# KiCad board central-control-unit.kicad_pcb (continued)
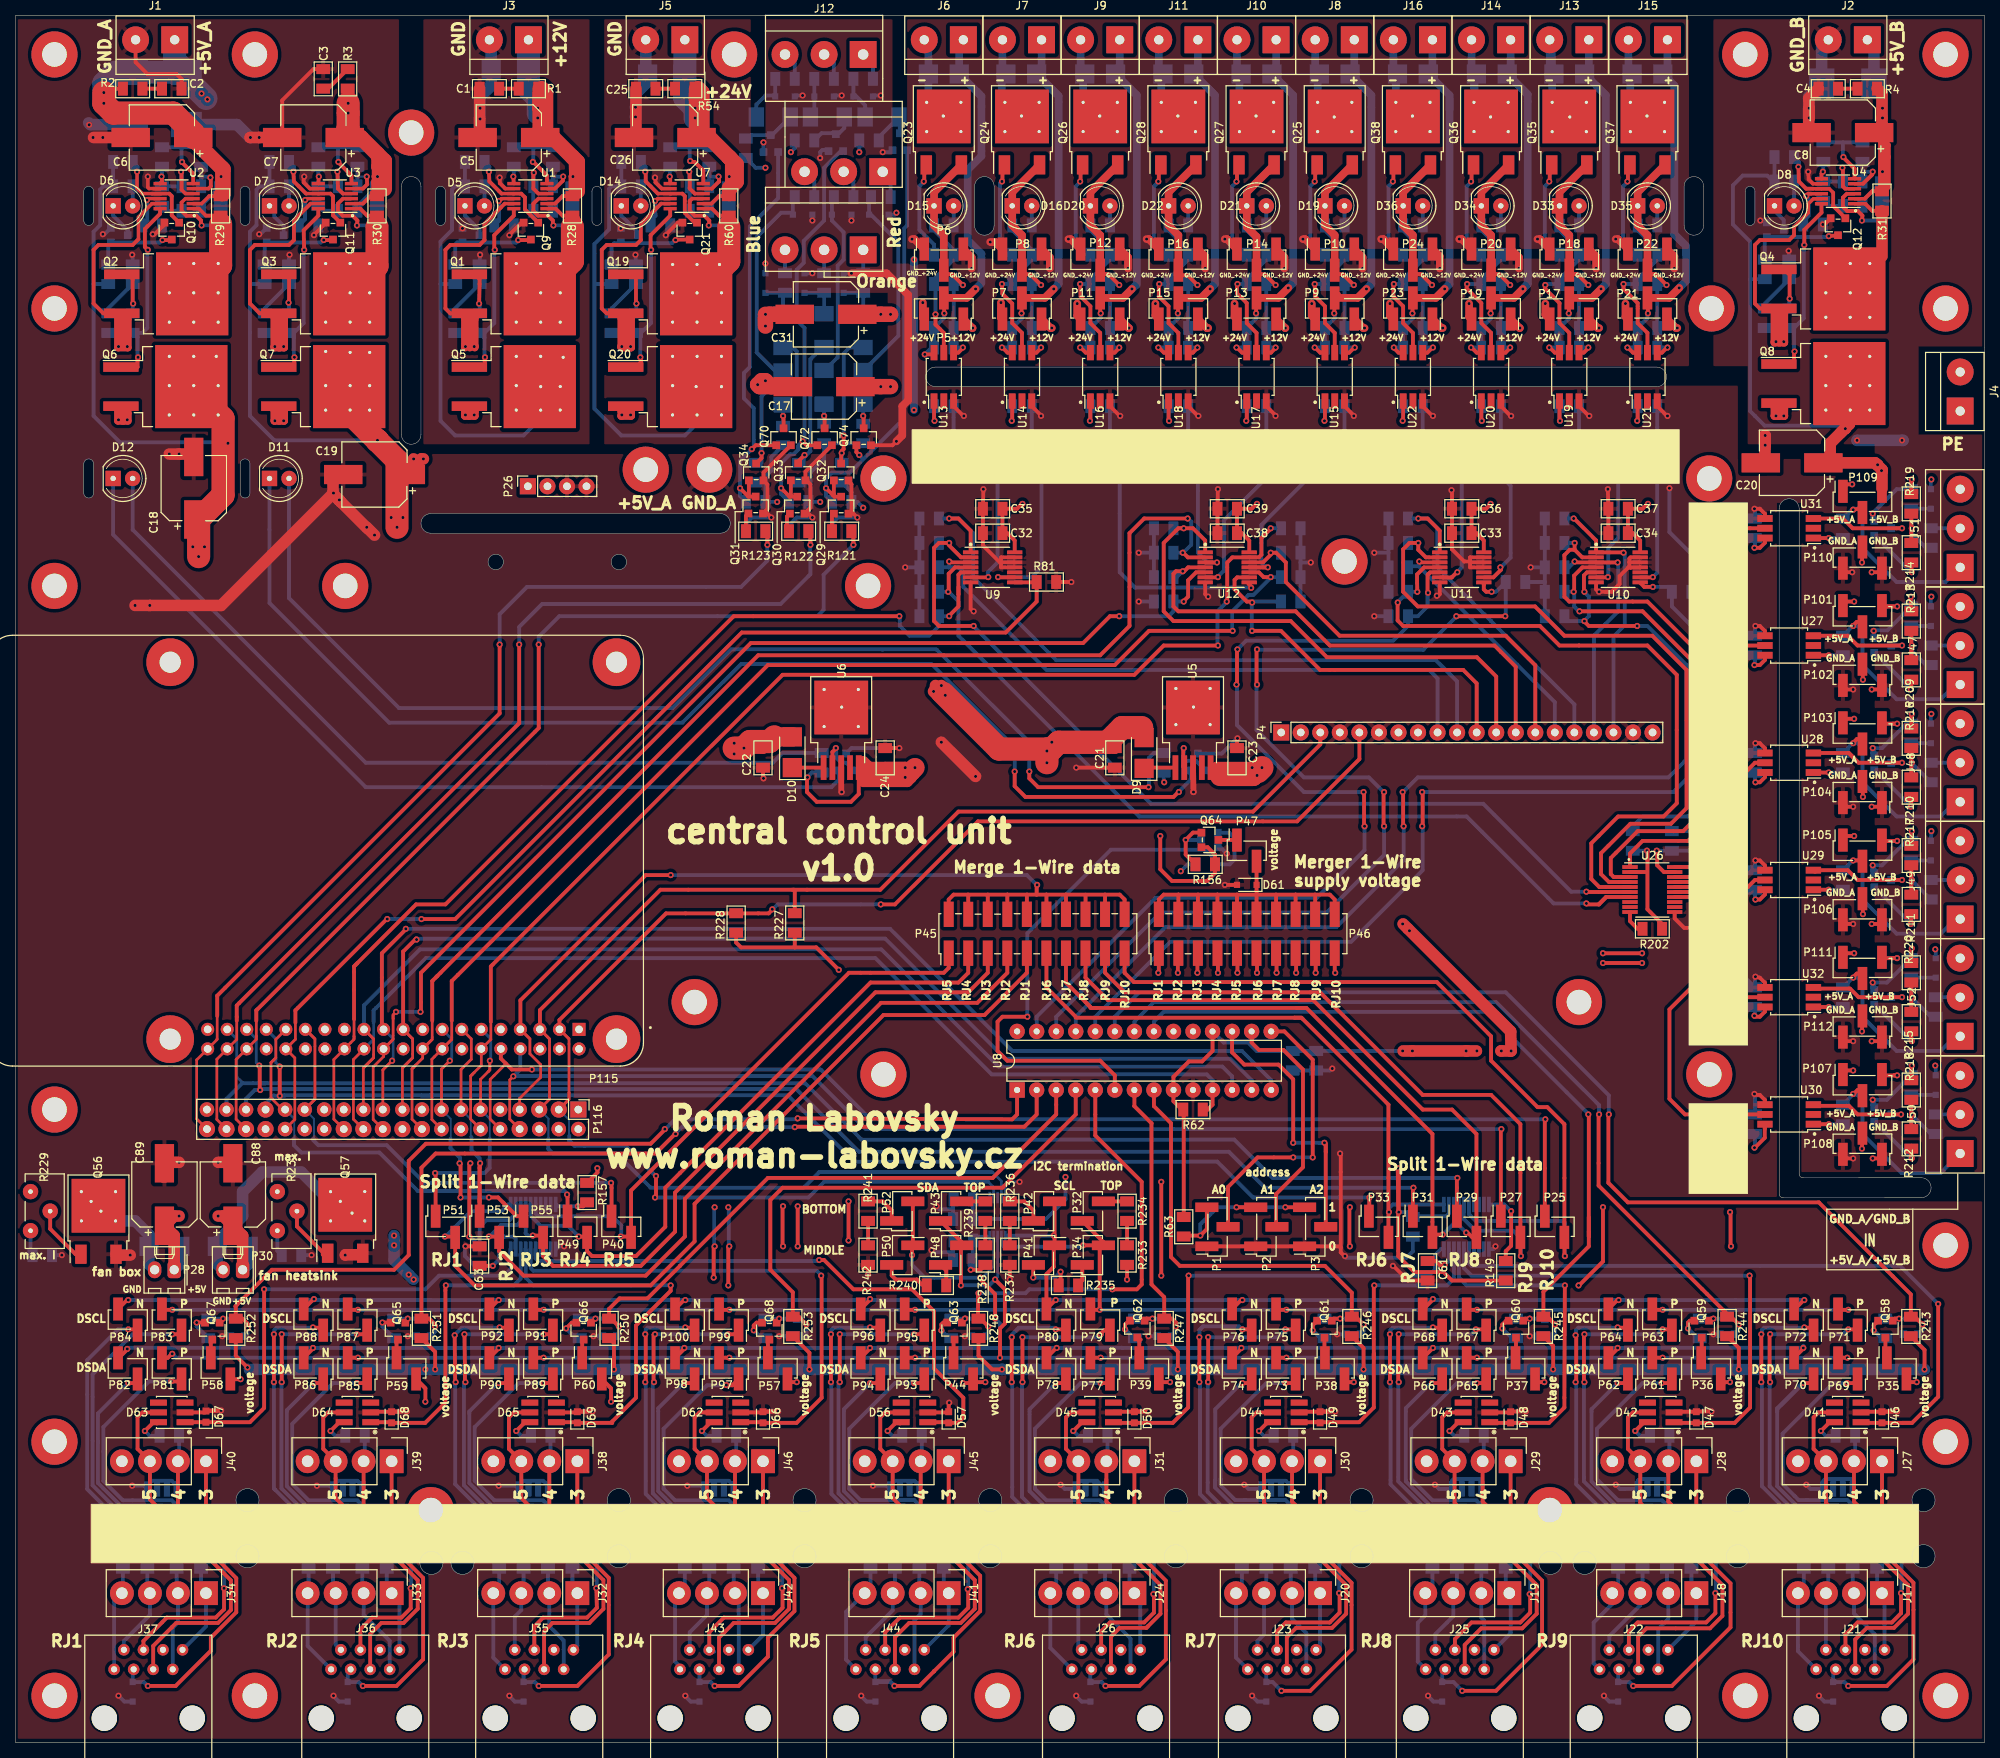
[diagram p0: board, top side]
## Routing (per net, layer and track width the routed paths; a pad name or vN(x,y) marks a point on that pad's centre or on a via; arc(x,y) is an arc through that point) (continued)
Net-(D81-A-Pad4): length 42.6
  Top w0.5: P92.1 63.81,53.94 62.97,53.94 v1(62.93,53.97) 62.89,53.94 62.86,53.94 ; v1(57.21,46.86) 57.15,46.93 v1(57.09,52.96) 57.15,52.87
  Bottom w0.5: R193.2 62.86,25.78 64.55,27.47 D81.4 65.41,28.97 64.98,29.4 61.36,29.4 57.15,33.61 57.15,46.55 57.21,46.61 v1(57.21,46.86) ; 57.15,53.09 58,53.94 62.86,53.94
Net-(D82-A-Pad1): length 37.9
  Top w0.5: 116.84,46.74 v1(116.78,46.74) 117.58,46.74 P93.1
  Bottom w0.5: 116.84,46.74 114.3,46.74 108.36,40.8 108.36,32.99 109.82,31.54 116.8,31.54 117.48,30.86 D82.1 118.33,27.47 R194.2
Net-(D82-A-Pad2): length 32.9
  Top w0.5: 112.29,47.37 P94.1 ; P94.1 111.86,46.74 v1(111.06,46.74) ; P94.1 111.99,46.86
  Bottom w0.5: R195.2 116.2,26.42 D82.2 116.2,30.2 115.57,30.84 109.53,30.84 107.66,32.7 107.66,43.34 v1(111.06,46.74)
Net-(D82-A-Pad3): length 46.3
  Top w0.5: 107.06,53.09 v1(107.12,53.09) v1(107.12,46.86) 107.06,46.93 ; 116.84,53.09 v1(116.78,53.09) 117.58,53.09 P95.1
  Bottom w0.5: R196.2 114.94,25.78 D82.3 114.94,29.59 114.39,30.14 109.24,30.14 106.96,32.41 106.96,46.9 107,46.86 v1(107.12,46.86) ; 107.06,53.09 116.84,53.09
Net-(D82-A-Pad4): length 42.6
  Top w0.5: P96.1 112.08,53.94 111.16,53.94 v1(111.06,53.97) 111.09,53.94 111.12,53.94 ; 106.05,46.93 v1(105.98,46.86) ; 105.98,46.93 v1(105.98,53.09) 106.05,53.09
  Bottom w0.5: 106.05,53.09 106.05,53.65 ; 106.05,53.65 106.33,53.94 ; 106.05,53.65 106.33,53.94 ; v1(105.98,46.86) 105.98,46.61 106.05,46.55 106.05,32.34 108.95,29.44 113.2,29.44 113.66,28.97 D82.4 113.44,27.47 R197.2 ; 111.12,53.94 106.33,53.94
Net-(D83-A-Pad1): length 37.8
  Top w0.5: 92.36,46.45 92.36,46.45 v1(92.39,46.48) 92.42,46.45 93.17,46.45 93.98,47.27
  Bottom w0.5: 92.36,46.45 89.89,46.45 84.23,40.8 84.23,32.99 85.72,31.5 92.71,31.5 93.34,30.86 D83.1 94.2,27.47 R198.2
Net-(D83-A-Pad2): length 33
  Top w0.5: v1(86.93,46.74) 87.73,46.74 P98.1 ; 87.86,46.86 P98.1 ; P98.1 88.16,47.37
  Bottom w0.5: 86.93,46.86 83.53,43.47 83.53,32.7 85.44,30.8 91.51,30.8 92.08,30.23 D83.2 92.08,26.42 R199.2
Net-(D83-A-Pad3): length 45.9
  Top w0.5: v1(82.99,46.86) 82.93,46.93 82.93,53.05 82.97,53.09 ; 92.71,53.09 93.45,53.09 93.98,53.62
  Bottom w0.5: 92.71,53.09 v1(92.65,53.09) v1(83.12,53.09) 82.97,53.09 ; v1(82.99,46.86) 82.83,46.7 82.83,32.41 85.15,30.1 90.3,30.1 90.8,29.59 D83.3 90.8,25.78 R200.2
Net-(D83-A-Pad4): length 44
  Top w0.5: 81.91,53.09 81.91,46.93 v1(81.85,46.86) ; P100.1 87.94,53.94 87.1,53.94 v1(87.06,53.97) 87.02,53.94 87,53.94
  Bottom w0.5: 87,53.94 82.13,53.94 81.91,53.72 v1(81.85,53.09) 81.91,53.09 ; v1(81.85,46.86) 81.85,46.61 81.91,46.55 81.91,32.34 84.86,29.4 89.11,29.4 89.53,28.97 D83.4 ; D83.4 88.68,27.47 87,25.78 R201.2 ; D83.4 89.53,28.96
Net-(D84-A): length 30
  Top w0.5: 240.03,138.18 v1(240.09,138.18) P102.2 ; 246.38,148.97 v1(246.32,148.97) 246.32,147.13 R213.1
  GND.Cu w0.5: 241.3,144.59 240.03,143.32 240.03,138.18 ; 246.38,148.97 v1(248.98,148.97) 249.56,148.97 250.83,147.7 J47.3
  Bottom w0.5: C82.2 246.38,148.91 v1(246.32,148.97) ; C82.2 243.27,144.59 241.56,144.59 v1(241.49,144.53) 241.43,144.59 241.3,144.59 241.3,144.5 241.57,144.23 Q50.2 241.62,143.57 ; C82.2 245.75,147.7 ; C82.2 246.38,148.97 ; D84.2 248.92,148.97
Net-(D84-K): length 14.2
  Top w0.5: R209.1 246.38,142.56 v1(246.44,142.62) ; v1(246.44,142.62) 246.38,141.35 ; v1(246.44,142.62) 246.38,142.62 R213.2
  Bottom w0.5: R221.2 248.28,140.08 246.38,141.99 C82.1 D84.1
Net-(D85-A): length 28.3
  Top w0.5: P104.2 v1(240.09,122.94) 240.03,122.94 ; R216.1 246.38,133.73
  GND.Cu w0.5: 240.03,122.94 240.03,128.02 241.3,129.29 ; 246.38,133.73 v1(246.44,133.73) v1(248.98,133.73) 249.56,133.73 250.83,132.46 J48.3
  Bottom w0.5: 241.57,128.92 Q51.2 241.3,128.6 241.3,129.29 v1(241.36,129.29) 242.57,129.29 245.75,132.46 C83.2 246.38,133.73 ; D85.2 248.92,133.73
Net-(D85-K): length 11.9
  Top w0.5: 246.38,126.11 R216.2
  Bottom w0.5: 248.92,129.92 246.38,129.92 246.38,127.38 v1(246.44,127.38) 246.44,127.32 248.92,124.84
Net-(D86-A): length 28.5
  Top w0.5: P106.2 v1(240.09,107.7) 240.03,107.7 ; 246.38,118.49 v1(246.44,118.49) R217.1
  GND.Cu w0.5: J49.3 250.83,117.22 249.56,118.49 246.38,118.49 ; 240.03,107.7 240.03,112.78 241.3,114.05
  Bottom w0.5: 241.57,113.68 241.57,113.09 241.3,113.36 241.3,114.05 242.57,114.05 245.75,117.22 C84.2 246.38,118.49 ; D86.2 v1(248.98,118.49) 248.92,118.49
  vias: v1(241.36,114.05)
Net-(D86-K): length 13.2
  Top w0.5: R217.2 246.38,111.51 ; R211.1 246.38,112.14
  Bottom w0.5: R223.2 246.44,112.08 v1(246.44,112.14) 246.38,112.14 C84.1 D86.1
Net-(D87-A): length 28.4
  Top w0.5: 240.03,78.59 240.14,78.59 ; 240.03,77.22 v1(239.97,77.22) P108.2 ; R218.1 246.38,88.01
  GND.Cu w0.5: 252.73,86.74 250.83,86.74 249.56,88.01 v1(249.49,88.01) v1(246.44,88.01) 246.38,88.01 ; 241.3,83.57 240.03,82.3 240.03,77.22
  Bottom w0.5: Q53.2 241.57,83.2 ; Q53.2 241.3,82.88 241.3,83.57 v1(241.36,83.57) 243.21,83.57 246.38,86.74 246.38,88.01 ; Q53.2 241.57,82.63 ; 249.56,86.74 249.56,88.01
Net-(D87-K): length 13.2
  Top w0.5: 246.38,80.39 R218.2
  Bottom w0.5: D87.1 C85.1 246.38,81.66 v1(246.44,81.66) 246.44,81.6 248.92,79.12 R224.2
Net-(D88-A): length 31
  Top w0.5: 240.03,153.42 v1(239.97,153.42) P110.2 240.03,156.59 ; R219.1 246.38,164.15 v1(246.44,164.21) 246.38,164.21
  GND.Cu w0.5: 240.03,153.42 240.03,158.5 241.3,159.77 ; J51.3 252.09,162.94 250.83,164.21 246.38,164.21
  Bottom w0.5: D88.2 248.92,164.15 v1(248.98,164.21) 248.92,164.21 ; 245.79,162.94 C86.2 ; C86.2 245.7,162.94 ; C86.2 246.38,164.21 ; C86.2 244.48,162.94 241.36,159.83 v1(241.36,159.77) 241.3,159.77 241.3,159.08 Q54.2 241.57,159.4
Net-(D88-K): length 12.3
  Top w0.5: R214.1 246.38,157.8 v1(246.44,157.86) 246.38,157.92 246.38,159.13
  Bottom w0.5: R225.2 248.28,155.32 246.38,157.23 C86.1 D88.1
Net-(D89-A): length 28.4
  Top w0.5: R220.1 246.38,103.25 ; P112.2 v1(239.97,92.46) 240.03,92.46
  GND.Cu w0.5: 241.3,98.81 240.03,97.54 240.03,92.46 ; 246.38,103.25 v1(246.44,103.25) 249.56,103.25 250.83,101.98 252.73,101.98
  Bottom w0.5: 249.56,103.25 249.56,103.19 v1(249.49,103.12) 249.56,103.06 249.56,101.98 ; 241.57,98.44 Q55.2 241.3,98.12 241.3,98.81 v1(241.36,98.81) 243.21,98.81 246.38,101.98 246.38,103.25
Net-(D89-K): length 13.2
  Top w0.5: R220.2 246.38,95.63
  Bottom w0.5: R226.2 248.92,94.36 246.44,96.84 v1(246.44,96.9) 246.38,96.9 C87.1 D89.1
Net-(D90-A): length 6.9
  Bottom w0.5: D90.2 98.33,208.97 Q69.3 95.62,208.97 95.19,208.53 R254.2
Net-(D90-K): length 6.8
  Bottom w0.5: 98.74,216.41 98.74,214.12 97.47,214.12 96.29,212.94 D90.1
Net-(D91-A): length 4.3
  Top w0.5: Q70.3 99.82,172.4 v1(99.76,172.47)
  Bottom w0.5: R255.2 D91.2
Net-(D91-K): length 27.8
  Bottom w0.5: 101.28,201.17 101.03,200.91 101.03,198.88 99.5,198.88 96.33,195.71 96.33,180.72 98.74,178.31 D91.1
Net-(D92-A): length 6.7
  Bottom w0.5: 114.83,209.32 Q71.3 114.93,211.22 D92.2 112.2,208.71 R256.2 112.46,208.28
Net-(D93-A): length 4.8
  Top w0.5: Q72.3 105.16,172.4 v1(105.09,172.47)
  Bottom w0.5: 105.09,172.72 D93.2 104.84,173.74 ; 105.09,172.72 v1(105.09,172.47) ; 105.09,172.72 R257.2
Net-(D93-K): length 24.6
  Bottom w0.5: D93.1 105.17,178.39 106.86,180.07 106.86,192.01 107.63,192.79 107.63,196.34 106.11,197.87 106.11,200.91 106.36,201.17
Net-(D94-A): length 6.3
  Bottom w0.5: D94.2 107.71,209.89 107.05,209.23 104.77,209.23 R258.2 104.08,208.28
Net-(D94-K): length 5.3
  Bottom w0.5: D94.1 103.82,211.84 103.82,216.41
Net-(D95-A): length 4.2
  Top w0.5: Q74.3 110.24,172.4 v1(110.17,172.47)
  Bottom w0.5: D95.2 R259.2
Net-(D100-K): length 6.4
  Bottom w0.5: 108.9,216.41 108.9,213.87 108.9,214.12 109.16,214.12 110.43,212.85 D92.1
Net-(D101-K): length 26.4
  Bottom w0.5: D95.1 110.25,178.39 114.74,182.88 114.74,195.07 110.93,198.88 110.93,200.91 111.19,201.17
Net-(J47-Pin_1): length 24.6
  Top w0.5: 240.03,145.69 239.29,145.69 238.76,145.16
  Bottom w0.5: J47.1 252.09,137.54 250.19,135.64 244.48,135.64 240.03,140.08 240.03,144.53 239.4,145.16 v1(238.82,145.16) 238.76,145.16 237.49,143.89
Net-(J47-Pin_2): length 3.8
  Bottom w0.5: J47.2 R221.1
Net-(J48-Pin_1): length 24.6
  Top w0.5: 240.03,130.45 239.29,130.45 238.89,130.05 238.82,130.05 238.82,129.98 238.76,129.92
  Bottom w0.5: J48.1 252.09,122.3 250.19,120.4 244.48,120.4 240.03,124.84 240.03,129.29 239.4,129.92 238.76,129.92 R204.1
  vias: v1(238.82,129.92)
Net-(J48-Pin_2): length 3.8
  Bottom w0.5: R222.1 J48.2
Net-(J49-Pin_1): length 24.6
  Top w0.5: 238.76,114.68 v1(238.82,114.68) 239.5,114.68 240.03,115.21
  Bottom w0.5: R205.1 238.76,114.68 239.4,114.68 240.03,114.05 240.03,109.6 244.48,105.16 250.19,105.16 252.09,107.06 J49.1
Net-(J49-Pin_2): length 3.8
  Bottom w0.5: 248.92,112.14 J49.2
Net-(J50-Pin_1): length 25.2
  Top w0.5: 240.03,84.73 239.5,84.73 239.4,84.84 238.89,84.33 v1(238.82,84.33) 238.82,84.26 238.76,84.2
  Bottom w0.5: J50.1 250.19,74.04 245.11,74.04 240.03,79.12 240.03,83.57 239.4,84.2 238.76,84.2 R206.1
Net-(J50-Pin_2): length 3.2
  Bottom w0.5: R224.1 J50.2
Net-(J51-Pin_1): length 24.7
  Top w0.5: 240.03,160.93 239.5,160.4 v1(238.82,160.27) 238.76,160.4
  Bottom w0.5: J51.1 250.83,150.88 244.48,150.88 240.03,155.32 240.03,159.77 239.4,160.4 238.76,160.4 R207.1
Net-(J51-Pin_2): length 3.8
  Bottom w0.5: J51.2 R225.1
Net-(J52-Pin_1): length 24.6
  Top w0.5: 240.03,99.97 239.29,99.97 238.76,99.44
  Bottom w0.5: J52.1 252.09,91.82 250.19,89.92 244.48,89.92 240.03,94.36 240.03,98.81 239.4,99.44 v1(238.82,99.44) 238.76,99.44 R208.1
Net-(J52-Pin_2): length 3.2
  Bottom w0.5: J52.2 R226.1
Net-(P1-Pad3): length 25
  Top w0.5: 165.1,69.6 P3.3 ; 158.75,69.6 P2.3 ; 151.45,65.79 151.57,65.91 v1(153.99,65.91) 154.84,66.76 P1.3
  Bottom w0.5: 165.1,69.6 v1(165.04,69.6) v1(158.69,69.6) 156.21,69.6 153.99,67.37 v1(153.99,65.91)
Net-(P32-Pad2): length 3.1
  Top w0.5: P32.2 R234.2
Net-(P34-Pad1): length 2.8
  Top w0.5: 138.11,59.56 138.64,60.09 138.64,62.1
Net-(P41-Pad2): length 7.3
  Top w0.5: 135.57,59.56 135.83,59.82 v1(135.83,61.21) ; v1(132.27,60.45) 132.27,62.08 132.29,62.1
  Bottom w0.5: v1(135.83,61.21) 135.06,60.45 v1(132.27,60.45)
Net-(P42-Pad1): length 4.9
  Top w0.5: R236.1 131.13,70.36 132.29,69.19 P42.1
Net-(P43-Pad2): length 3.1
  Top w0.5: P43.2 R239.2
Net-(P48-Pad1): length 2.8
  Top w0.5: 120.23,62.1 120.97,61.36 120.97,59.56
Net-(P50-Pad2): length 6.4
  Top w0.5: 113.88,62.1 113.88,60.73 114.41,60.2 117.16,60.2 117.79,59.56 118.43,59.56
Net-(P52-Pad1): length 4.9
  Top w0.5: P52.1 113.88,69.19 112.71,70.36 R241.1
Net-(Q1-D): length 19.6
  Top w0.45: 69.07,199.42 70.2,199.42
  Top w0.5: R28.1 71.12,198.5 70.2,199.42
  Top w2: 72.39,197.99 72.39,192.59
  Top w3: 72.39,197.04 72.39,192.59 Q1.3
Net-(Q1-G): length 6.1
  Top w0.5: Q1.1 59.69,190.88 60.33,190.25 60.33,189.61 v1(60.26,187.07) 60.33,187.07
  Bottom w0.5: R32.1 60.33,187.07
Net-(Q1-S): length 76.3
  Top w0.25: 63.08,199.56 60.96,197.44
  Top w0.45: U1.11 63.59,200.07
  Top w0.5: 63.59,200.07 60.96,197.44 60.96,195.33 60.33,194.69 56.52,194.69 55.88,194.06 55.88,186.44 56.52,185.8 Q1.2
  Top w1: Q1.2 59.69,185.11 59.69,181.55 v1(59.63,181.48) 59.69,181.42 59.69,181.36 ; Q1.2 58.42,185.23 58.42,181.55 v1(58.48,181.48) 58.42,181.42 58.42,181.36 ; Q1.2 59.05,185.74 59.05,181.36 ; Q5.2 58.42,173.16 58.42,172.66 v1(58.48,172.59) 58.42,172.53 58.42,172.47 58.94,172.47 ; Q5.2 59,172.53 58.94,172.47 ; Q5.2 59.69,173.04 59.69,172.91 59.5,172.72 59.69,172.53 59.69,172.47 58.94,172.47
  PWR.Cu w1: 59.05,181.36 59.05,173.1 ; 59.69,178.82 58.42,178.82 ; 59.69,181.36 59.69,172.47 58.42,172.47 58.42,181.36 59.69,181.36
  vias: v1(59.63,172.59)
Net-(Q2-D): length 13.9
  Top w0.45: 24.77,198.5 23.85,199.42 U2.1
  Top w0.5: 24.77,198.5 26.03,198.5
  Top w3: 26.67,197.36 26.67,192.04 Q2.3
Net-(Q2-G): length 7.9
  Top w0.5: Q2.1 13.97,190.88 ; Q2.1 13.97,190.74 ; Q2.1 15.24,190.88 ; Q2.1 14.6,190.88 15.24,190.25 15.24,187.07
  Bottom w0.5: R33.1 15.24,187.07
  vias: v1(15.3,187.07)
Net-(Q2-S): length 76.7
  Top w0.45: U2.11 17.75,200.07 16,198.32 16,195.45
  Top w0.5: 14.6,185.8 Q2.2 11.43,185.8 10.16,187.07 10.16,194.06 10.79,194.69 15.24,194.69 16,195.45
  Top w1: 13.97,171.83 13.97,173.1 14.16,173.29 ; 13.97,171.83 13.33,171.83 13.33,173.36 13.71,173.74 14.16,173.29 ; 13.97,171.83 14.6,171.83 14.6,172.84 14.16,173.29 ; Q2.2 13.33,185.31 13.33,181.36 14.6,181.36 14.6,185.02 Q2.2 ; Q2.2 13.83,182.14
  PWR.Cu w1: 13.97,181.36 14.6,181.36 14.6,171.83 13.33,171.83 13.33,181.36 13.97,181.36 ; 13.97,181.36 13.97,172.47
  vias: v1(13.4,181.48) v1(13.4,171.96) v1(14.54,181.48) v1(14.54,171.96)
Net-(Q3-D): length 28.6
  Top w0.45: 44.06,199.42 44.8,199.42
  Top w0.5: 44.8,199.42 45.72,198.5 R30.1 46.99,190.45 ; 42.55,189.18 Q3.3
  Top w1.5: 46.99,197.8 46.99,191.95
  Top w3: 46.99,197.04 46.99,191.95 Q3.3
Net-(Q3-G): length 6.5
  Top w0.5: Q3.1 35.56,190.88 35.56,187.26 v1(35.5,187.2) 35.56,187.13 35.56,187.07
  Bottom w0.5: R34.1 35.56,187.07
Net-(Q3-S): length 79.8
  Top w0.25: 38.36,200.07 U3.11 38.39,200.07 ; 39.76,200.07 38.66,200.07
  Top w0.5: 38.36,200.07 36.2,197.9 36.2,195.33 35.56,194.69 31.11,194.69 30.48,194.06 30.48,187.07 31.75,185.8 Q3.2 ; Q7.2 34.23,173.8
  Top w1: 34.29,181.36 34.29,185.74 Q3.2 ; 34.29,181.36 34.92,181.36 34.92,181.42 v1(34.86,181.48) 34.92,181.55 34.92,185.11 Q3.2 ; 34.29,181.36 33.66,181.36 33.66,181.42 v1(33.72,181.48) 33.66,181.55 33.66,185.23 Q3.2 ; 34.29,171.83 v1(34.86,171.83) 34.92,171.83 34.92,173.04 Q7.2 33.66,173.16 33.66,171.83 v1(33.72,171.83) 34.29,171.83 ; 34.29,171.83 34.29,173.1
  PWR.Cu w1: 33.66,171.83 33.66,181.36 34.92,181.36 34.92,171.83 33.66,171.83 ; 33.66,171.83 34.29,172.47 34.29,181.36
Net-(Q4-D): length 17.1
  Top w0.25: 240.39,200.05 241.3,199.14
  Top w0.45: U4.1 240.39,200.05
  Top w0.5: R31.1 241.3,199.14 240.41,200.03 240.39,200.03
  Top w1: 242.57,193.22 Q4.3
  Top w1.5: R31.1 242.57,193.22
Net-(Q4-G): length 6.1
  Top w0.5: 230.51,187.71 v1(230.57,187.71) 230.57,190.82 229.87,191.52 Q4.1
  Bottom w0.5: 230.51,187.71 R35.1
Net-(Q4-S): length 81
  Top w0.45: 231.14,197.04 232.98,198.88 232.98,200.03 233.66,200.7 U4.11
  Top w0.5: Q4.2 226.7,186.44 226.06,187.07 226.06,194.69 226.7,195.33 230.51,195.33 231.14,195.96 231.14,197.04
  Top w1: 229.12,172.47 v1(228.79,172.47) 228.6,172.47 ; 229.12,172.47 229.18,172.53 ; 229.12,172.47 v1(229.81,172.47) 229.87,172.47 ; Q8.2 229.18,172.53 ; Q8.2 228.6,173.56 228.6,172.47 ; Q8.2 229.18,173.16 ; Q8.2 229.18,173.68 ; Q8.2 229.87,173.44 229.87,172.47 ; 229.18,172.53 229.81,172.53 229.87,172.47 ; 229.87,172.47 229.18,173.16 ; 228.6,172.47 229.18,173.04 229.18,173.16 ; Q4.2 228.6,185.86 228.6,182.18 228.66,182.12 228.6,182.05 228.6,181.99 229.87,181.99 229.87,182.05 v1(229.81,182.12) 229.87,182.18 229.87,185.74 Q4.2 ; Q4.2 229.24,186.38 229.24,181.99
  PWR.Cu w1: 228.6,172.47 229.87,172.47 229.87,181.99 229.24,181.99 ; 228.6,172.47 229.24,173.1 229.24,181.99 ; 228.6,172.47 228.6,181.99 229.24,181.99
  vias: v1(228.79,182.12)
Net-(Q5-G): length 28.3
  Top w0.25: v1(62.29,194.06) 62.23,194.06
  Top w0.5: 62.23,194.06 62.23,195.96 64.77,198.5 64.77,199.39 ; Q5.1 60.96,178.82 v1(61.02,180.09) 60.96,180.09
  Bottom w0.5: 60.33,183.26 60.96,182.63 60.96,180.09 ; 57.15,183.26 60.96,183.26 62.23,184.53 62.23,194.06
Net-(Q6-G): length 31.5
  Top w0.5: 13.71,178.82 14.6,178.82 ; 13.71,178.82 15.24,178.82 ; 13.71,178.82 13.97,179.08 ; 13.71,178.82 15.88,178.82 15.88,180.09 ; v1(17.21,194.06) 16.83,194.44 16.83,196.77 18.8,198.75 U2.12
  Bottom w0.5: 15.24,183.26 15.88,182.63 15.88,180.09 ; 15.24,183.26 16.51,183.26 17.15,183.9 17.15,194.06 ; 15.24,183.26 12.06,183.26
  vias: v1(15.94,180.09)
Net-(Q7-G): length 28.1
  Top w0.5: 37.46,194.06 v1(37.53,194.06) 37.46,196.6 39.37,198.5 39.37,199.39 ; 34.29,178.88 Q7.1 36.2,178.82 v1(36.26,180.09) 36.2,180.09
  Bottom w0.5: 35.56,183.26 36.2,182.63 36.2,180.09 ; 35.56,183.26 36.2,183.26 37.46,184.53 37.46,194.06 ; 35.56,183.26 32.38,183.26
Net-(Q8-G): length 27.6
  Top w0.5: 231.14,180.72 231.14,179.45 230.91,179.22 Q8.1 ; 232.41,194.69 v1(232.47,194.69) 232.47,196.66 234.71,198.89 234.71,200.03
  Bottom w0.5: R35.2 231.14,183.26 231.14,180.91 v1(231.2,180.85) 231.14,180.78 231.14,180.72 ; R35.2 231.14,183.9 232.41,185.17 232.41,194.69 ; R35.2 227.97,183.9
Net-(Q9-G): length 12.3
  Top w0.45: 63.17,201.37 U1.9 65.73,201.37
  Top w0.5: Q9.1 66.22,199.32 66.22,200.88 65.73,201.37 ; 63.17,201.37 61.59,202.95 v1(61.53,204.22) 61.59,204.22
  Bottom w0.5: 61.59,204.22 61.59,204.85 R40.2
Net-(Q10-D): length 11.9
  Top w0.5: 19.05,195.33 20.25,195.33
  Bottom w0.5: 18.73,195.01 19.05,195.33 19.05,195.33 18.73,195.01 Q14.1 12.06,194.67 R45.2 11.7,192.52
  vias: v1(19.11,195.33)
Net-(Q10-G): length 13.6
  Top w0.25: 21.59,197.25 21.58,197.24
  Top w0.45: U2.9 16.5,201.37 15.81,202.06 v1(15.81,204.22) ; U2.9 17.7,201.37 ; U2.9 19.99,201.37
  Top w0.5: Q10.1 20.32,198.55 20.32,201.04 19.99,201.37
  Bottom w0.5: R41.2 15.88,204.85 15.88,204.22
Net-(Q11-D): length 11.8
  Top w0.5: 40,195.33 v1(40.07,195.33) 41.2,195.33 Q11.3
  Bottom w0.5: R46.2 32.38,194.74 Q15.1 39.69,195.01 40,195.33
Net-(Q11-G): length 13.7
  Top w0.25: 39.76,201.37 38.66,201.37
  Top w0.45: 40.95,201.37 U3.9 37.77,201.37
  Top w0.5: 36.2,204.22 v1(36.13,204.22) 36.2,202.95 37.77,201.37 ; 40.95,201.37 41.27,201.04 41.27,198.55 Q11.1
  Bottom w0.5: 36.2,204.22 36.2,204.85 R42.2
Net-(Q12-D): length 12.4
  Top w0.5: 235.66,195.89 236.78,195.89 Q12.3
  Bottom w0.5: R47.2 227.33,195.45 Q16.1 235.48,195.72 235.6,195.83 v1(235.65,195.83) 235.65,195.88 235.66,195.89
Net-(Q12-G): length 12.7
  Top w0.25: 234.8,202.1 234.71,202 ; Q12.1 237.81,198.19
  Top w0.45: 233.61,202 235.72,202 236.22,201.5
  Top w0.5: 231.78,204.85 v1(231.71,204.85) 231.78,202.95 232.72,202 233.61,202 ; 237.81,198.19 236.22,199.77 236.22,201.5
  Bottom w0.5: 231.78,204.85 231.78,205.49 R43.2
Net-(Q13-G): length 12.7
  Top w0.5: 65.41,195.33 66.92,195.33 Q9.3
  Bottom w0.5: R44.2 57.15,194.74 57.42,195.01 65.09,195.01 65.34,195.26 v1(65.34,195.33) 65.41,195.33
Net-(Q17-G): length 7.5
  Top w0.5: U5.2 151.77,126.88 151.77,129.29
  Bottom w0.5: 151.77,129.29 v1(151.83,129.29) 151.77,128.02 152.15,127.63 153.42,127.63 154.62,126.43 Q17.1
Net-(Q18-G): length 7
  Top w0.5: U6.2 106.17,128.78 106.62,129.22 v1(106.62,129.29) 106.68,129.29
  Bottom w0.5: Q18.1 108.9,126.43 107.95,127.38 107.34,127.38 106.68,128.04 106.68,129.29
Net-(Q19-D): length 25.2
  Top w0.25: U7.1 89.89,199.42
  Top w0.45: U7.1 90.52,199.42
  Top w0.5: 90.52,199.42 91.44,198.5 R60.1
  Top w1.5: 92.08,191.95 Q19.3 ; 92.71,197.99 92.71,192.59
  Top w3: 92.71,197.04 92.71,192.59 Q19.3
Net-(Q19-G): length 6.5
  Top w0.5: Q19.1 80.64,190.88 80.64,189.61 80.64,187.07
  Bottom w0.5: R61.1 v1(80.71,187.07) 80.64,187.07
Net-(Q19-S): length 73.8
  Top w0.45: U7.11 83.91,200.07
  Top w0.5: 83.91,200.07 81.28,197.44 81.28,195.33 80.64,194.69 76.83,194.69 76.2,194.06 76.2,186.44 76.83,185.8 Q19.2
  Top w1: 79.38,181.36 78.74,181.36 78.74,181.42 v1(78.8,181.48) 78.74,181.55 78.74,185.23 Q19.2 ; 79.38,181.36 79.38,185.74 Q19.2 ; 79.38,181.36 80.01,181.36 80.01,181.42 v1(79.95,181.48) 80.01,181.55 80.01,185.11 Q19.2 ; 78.74,172.47 80.01,172.47 80.01,172.53 v1(79.95,172.59) 80.01,172.66 80.01,173.04 79.66,173.39 ; 78.74,172.47 78.8,172.53 v1(78.8,172.59) 78.87,172.59 79.66,173.39 ; 78.74,172.47 78.74,173.16 Q20.2 79.66,173.39
  PWR.Cu w1: 79.38,172.47 78.74,172.47 78.74,181.36 80.01,181.36 80.01,172.47 79.38,172.47 ; 79.38,172.47 79.38,181.36
Net-(Q20-G): length 28
  Top w0.5: 82.55,194.06 82.55,195.96 85.09,198.5 85.09,199.39 ; Q20.1 80.64,178.82 81.28,179.45 81.28,180.09
  Bottom w0.5: 77.47,183.26 80.64,183.26 ; 80.64,183.26 81.28,183.26 82.59,184.53 v1(82.61,194.06) 82.55,194.06 ; 80.64,183.26 81.22,182.69 v1(81.22,180.09) 81.28,180.09
Net-(Q21-D): length 13
  Top w0.5: Q21.3 85.8,195.4 85.79,195.39 v1(85.79,195.33) 85.72,195.33
  Bottom w0.5: R66.2 77.47,194.57 77.82,194.93 85.33,194.93 85.72,195.33
Net-(Q21-G): length 13
  Top w0.25: Q21.1 88.27,197.6
  Top w0.45: 86.67,201.37 U7.9 83.5,201.37
  Top w0.5: 81.91,204.22 81.91,202.95 83.5,201.37 ; 86.67,201.37 87,201.04 87,198.87 88.27,197.6
  Bottom w0.5: R65.2 81.91,204.85 v1(81.85,204.22) 81.91,204.22
Net-(Q23-G): length 13.4
  Top w0.5: 117.98,205.49 Q23.1 118.11,204.84 118.11,202.95
  Bottom w0.5: 119.38,193.42 119.38,194.75 117.48,196.66 117.48,202.31 118.05,202.88 v1(118.05,202.95) 118.11,202.95
Net-(Q24-G): length 12.9
  Top w0.5: Q24.1 128.27,204.84 128.27,202.95
  Bottom w0.5: 129.54,193.42 128.91,193.42 127.95,194.37 127.95,202.69 v1(128.21,202.95)
Net-(Q25-G): length 13.2
  Top w0.5: 168.91,202.95 168.91,204.84 Q25.1
  Bottom w0.5: R112.1 169.55,193.42 168.28,194.69 168.28,202.31 168.85,202.88 v1(168.85,202.95) 168.91,202.95
Net-(Q26-G): length 13.2
  Top w0.5: Q26.1 138.43,204.84 138.43,202.95
  Bottom w0.5: 139.7,193.42 139.07,193.42 137.8,194.69 137.8,202.31 138.37,202.88 v1(138.37,202.95) 138.43,202.95
Net-(Q27-G): length 13.2
  Top w0.5: 158.75,202.95 158.75,204.84 Q27.1
  Bottom w0.5: R116.1 159.39,193.42 158.12,194.69 158.12,202.31 158.69,202.88 v1(158.69,202.95) 158.75,202.95
Net-(Q28-G): length 13.2
  Top w0.5: Q28.1 148.59,204.84 148.59,202.95
  Bottom w0.5: R117.1 149.23,193.42 147.96,194.69 147.96,202.31 148.53,202.88 v1(148.53,202.95) 148.59,202.95
Net-(Q29-G): length 2.4
  Top w0.5: R121.1 106.11,159.51 Q29.1
Net-(Q30-G): length 2.4
  Top w0.5: 100.27,157.48 100.27,159.38 Q30.1
Net-(Q31-G): length 2.4
  Top w0.5: R123.1 94.93,159.46 Q31.1
Net-(Q35-G): length 13.2
  Top w0.5: 199.39,202.95 199.39,204.84 Q35.1
  Bottom w0.5: 200.66,193.42 200.03,193.42 198.76,194.69 198.76,202.31 199.33,202.88 v1(199.33,202.95) 199.39,202.95
Net-(Q36-G): length 13.2
  Top w0.5: Q36.1 189.23,204.84 189.23,202.95
  Bottom w0.5: R146.1 189.87,193.42 188.59,194.69 188.59,202.31 189.17,202.88 v1(189.17,202.95) 189.23,202.95
Net-(Q37-G): length 13.2
  Top w0.5: 209.55,202.95 209.55,204.84 Q37.1
  Bottom w0.5: 210.82,193.42 210.19,193.42 208.92,194.69 208.92,202.31 209.49,202.88 v1(209.49,202.95) 209.55,202.95
Net-(Q38-G): length 13.2
  Top w0.5: 179.07,202.95 179.07,204.84 Q38.1
  Bottom w0.5: R148.1 179.71,193.42 178.44,194.69 178.44,202.31 179.01,202.88 v1(179.01,202.95) 179.07,202.95
Net-(Q39-D): length 4.3
  Top w0.5: Q58.1 244.23,55.12 v1(244.79,55.12)
  Bottom w0.5: R150.2 246.13,55.12 Q39.3
Net-(Q40-D): length 4.3
  Top w0.5: Q59.1 220.36,55.12 v1(220.66,55.12)
  Bottom w0.5: Q40.3 222.26,55.12 R151.2
Net-(Q41-D): length 4.7
  Top w0.5: Q60.1 196.23,55.12 v1(196.79,55.12)
  Bottom w0.5: R152.2 198.67,55.12 Q41.3
Net-(Q42-D): length 5
  Top w0.5: Q61.1 171.34,55.12 v1(172.15,55.12)
  Bottom w0.5: R153.2 173.69,55.12 Q42.3
Net-(Q43-D): length 5
  Top w0.5: v1(147.76,55.12) 147,55.12 Q62.1
  Bottom w0.5: R154.2 149.22,55.12 Q43.3
Net-(Q44-D): length 4.8
  Top w0.5: Q63.1 123.13,54.61 123.13,54.86 v1(123.38,55.12) ; v1(123.38,55.12) 123.51,55.12 123.51,55.25 v1(123.38,55.12)
  Bottom w0.5: R155.2 125.14,55.12 Q44.3
Net-(Q45-D): length 8.1
  Top w0.5: Q64.1 153.03,118.3 v1(152.08,117.35) 152.08,115.44 R156.2
  Bottom w0.5: Q45.3 v1(152.08,117.35)
Net-(Q46-D): length 4.7
  Top w0.5: v1(99.25,55.12) 98.93,54.8 Q68.1
  Bottom w0.5: R158.2 v1(99.25,55.12) 101.47,55.12 Q46.3
Net-(Q47-D): length 5
  Top w0.5: v1(26.99,55.12) 26.99,55.04 Q67.1
  Bottom w0.5: 25.66,55.12 25.59,55.05 25.59,55.37 ; Q47.3 28.82,55.12 R159.2
Net-(Q48-D): length 6.2
  Top w0.5: 50.72,54.59 Q65.1 50.67,54.8 v1(50.99,55.12)
  Bottom w0.5: R160.2 52.32,55.12 ; Q48.3 52.95,55.12 v1(50.99,55.12) ; 49.72,55.37 49.72,55.05
Net-(Q49-D): length 8
  Top w0.5: v1(75.37,55.12) 74.85,54.59 Q66.1
  Bottom w0.5: 73.85,55.05 73.92,55.12 v1(75.37,55.12) 77.15,55.12 ; Q49.3 77.13,55.12 R161.2